# Allegro board 6ULL_V10_221209.brd
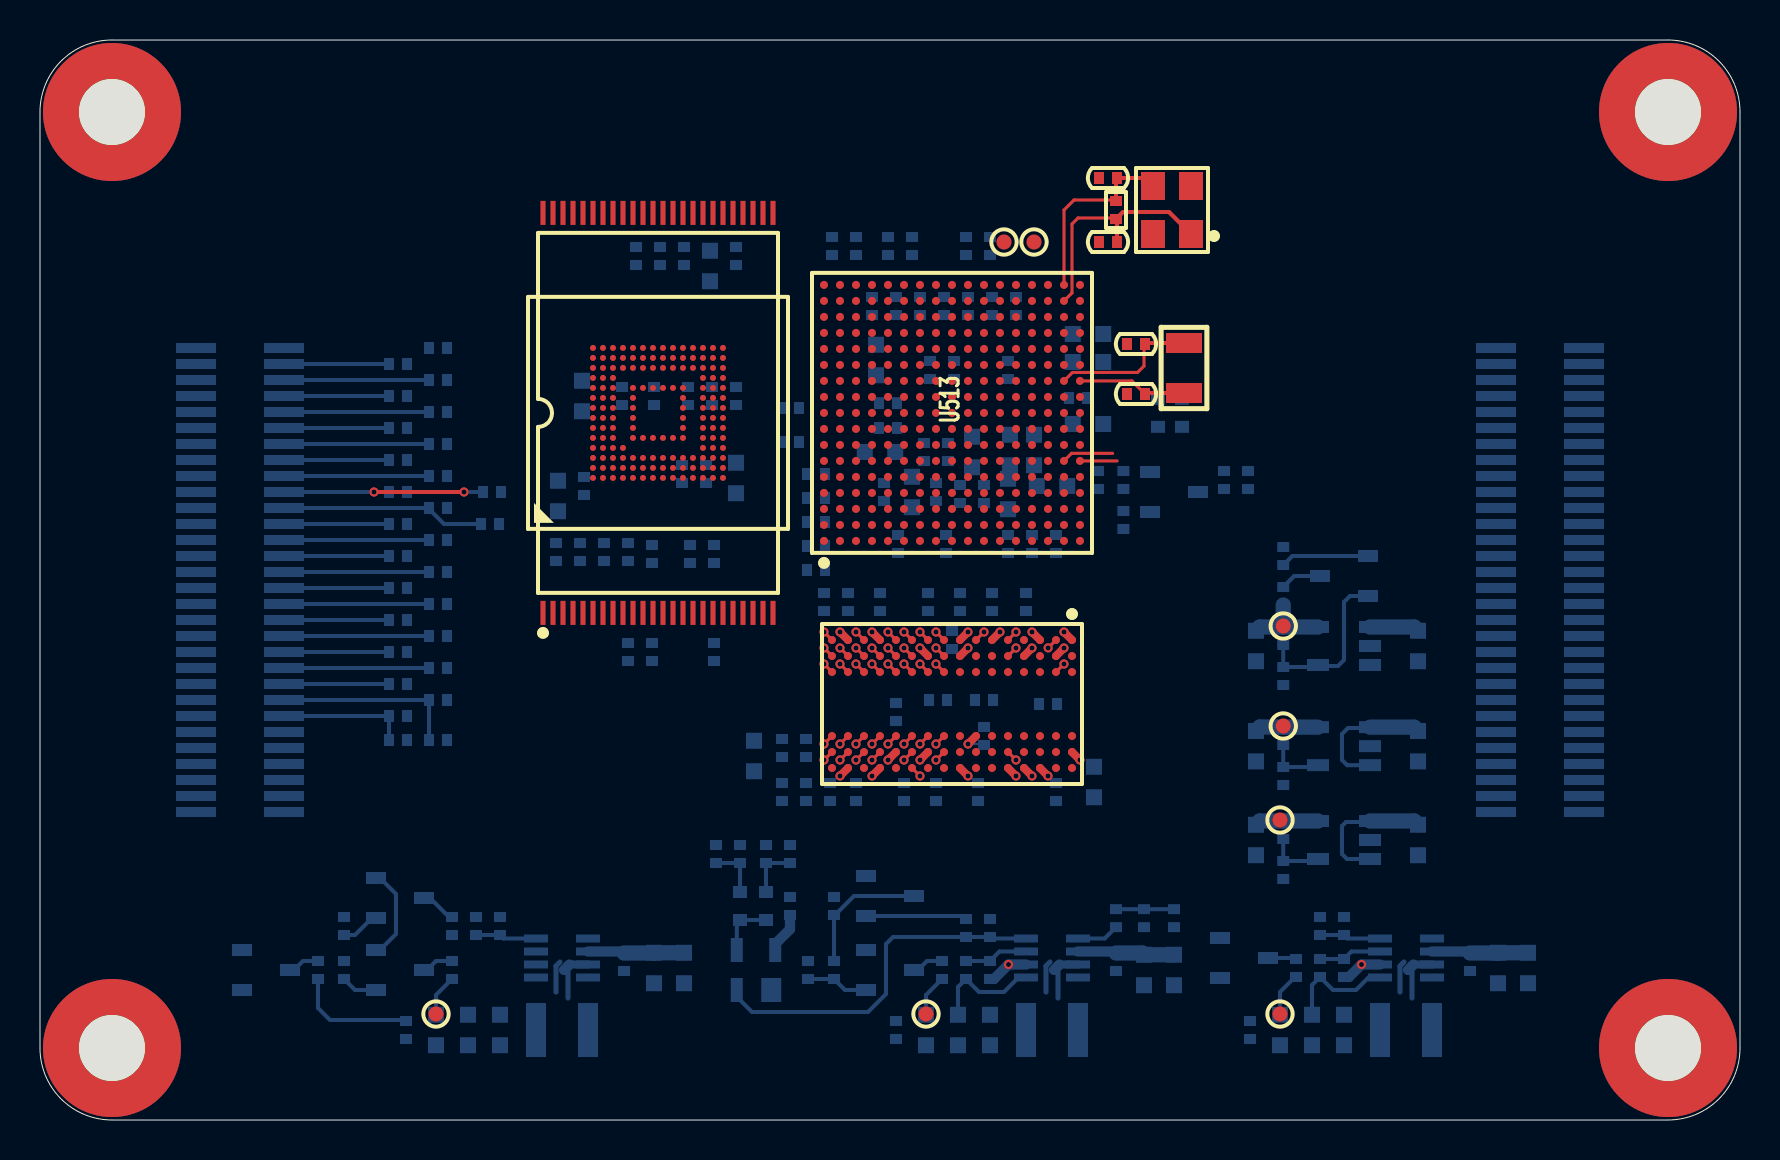
[diagram p0: board, top side]
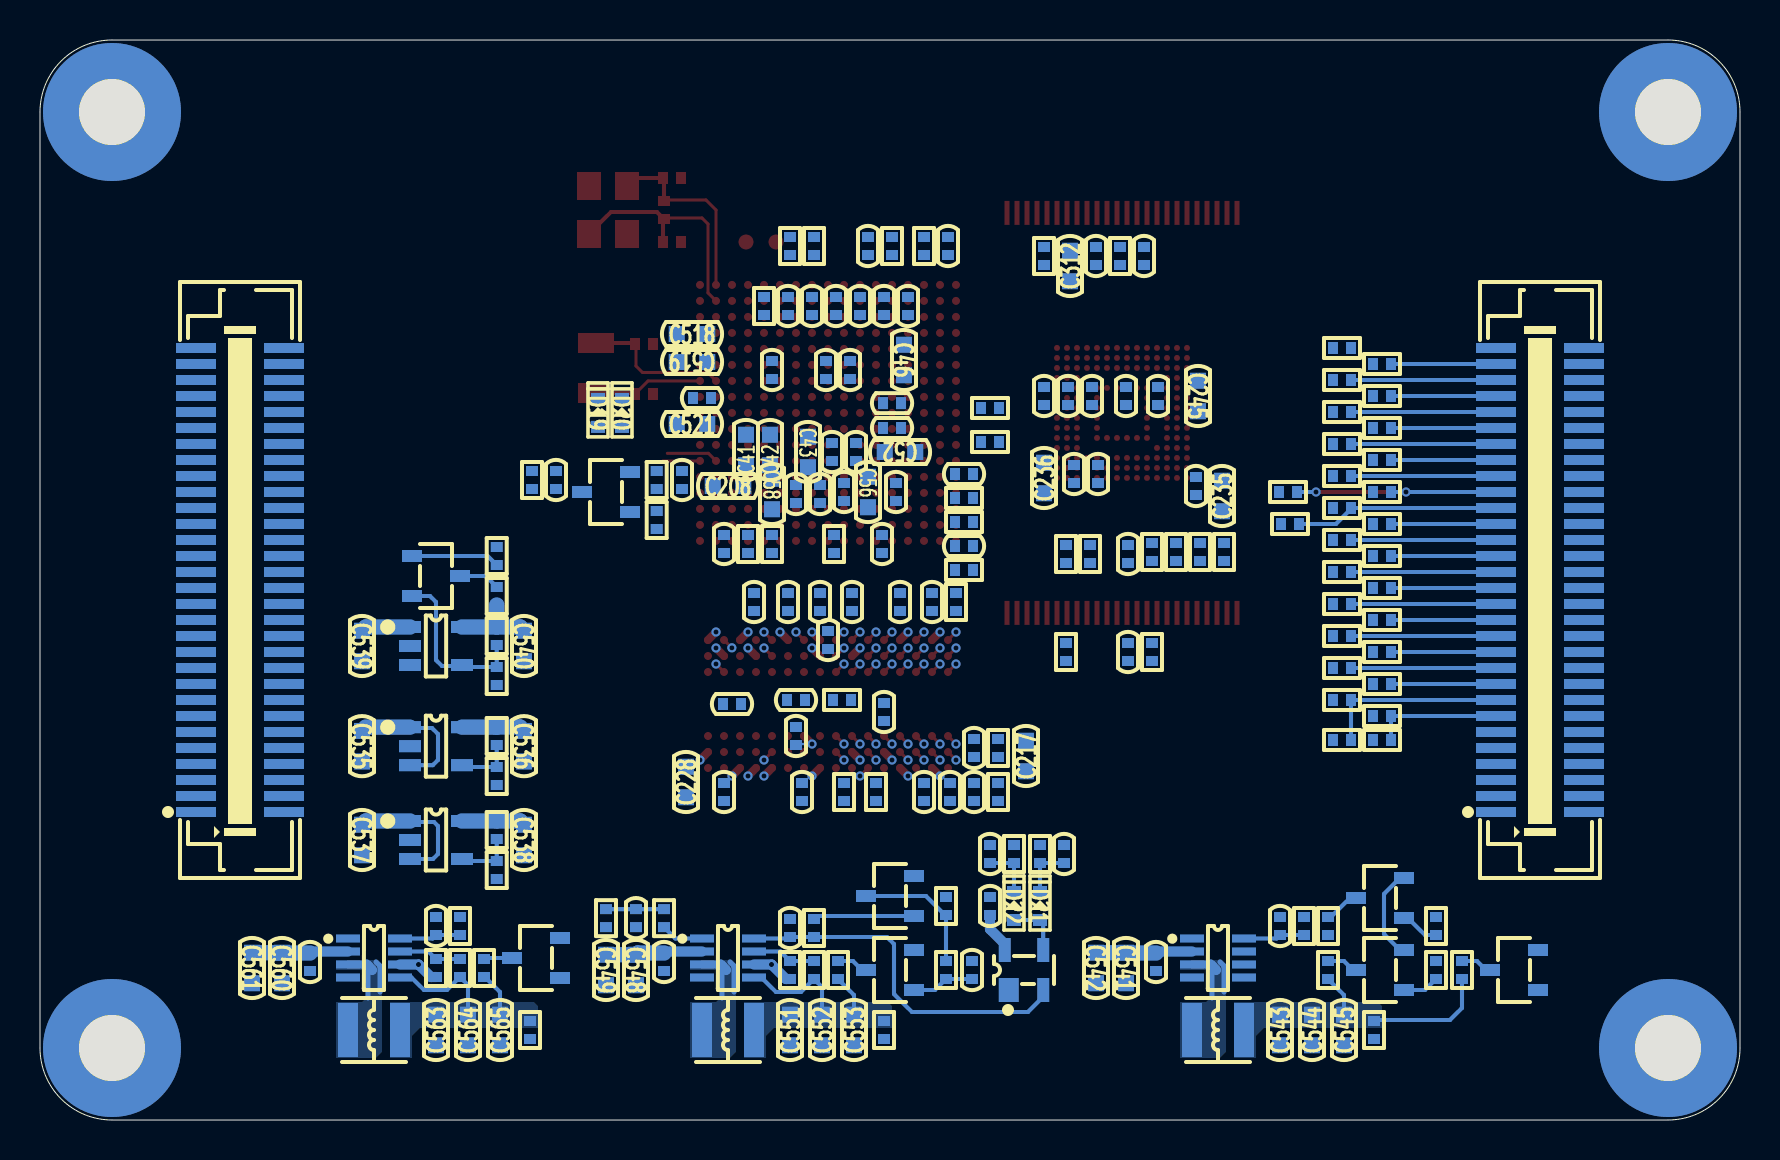
[diagram p1: board, bottom side, seen from below]

Outline 85 x 54 mm; copper layers: TOP, L02_GND, L03_VCC, BOTTOM. Coordinates in mm from the lower left corner of the outline.
Outline path: 0,50.4 arc(1.05,52.95) 3.6,54 81.4,54 arc(83.95,52.95) 85,50.4 85,3.6 arc(83.95,1.05) 81.4,0 3.6,0 arc(1.05,1.05) 0,3.6 0,50.4

## Design rules (mm)
constraint set DEFAULT: min track width 0.114, pair gap 0.152
net group CLK1_: nets CLK1_N CLK1_P
net group DRAM_SDCLK0_: nets DRAM_SDCLK0_N DRAM_SDCLK0_P
net group DRAM_SDQS0_: nets DRAM_SDQS0_N DRAM_SDQS0_P
net group DRAM_SDQS1_: nets DRAM_SDQS1_N DRAM_SDQS1_P
net group USB_OTG1_D: nets USB_OTG1_DN USB_OTG1_DP
net group USB_OTG2_D: nets USB_OTG2_DN USB_OTG2_DP

## Placement (name value [footprint] x y rotation side)
C3  100nF_50V  [C0402]  29.2 7.9 270 bottom
C39  220nF_16V  [C0402]  44.5 37.5 90 bottom
C40  220nF_16V  [C0402]  45.7 37.5 90 bottom
C41  4.7uF_16V  [C0603]  49.7 33.5 90 bottom
C42  22uF_6.3V  [C0603]  48.5 33.5 90 bottom
C43  4.7uF_16V  [C0603]  46.6 33.4 270 bottom
C44  220nF_16V  [C0402]  48.4 37.5 270 bottom
C45  220nF_16V  [C0402]  44.2 33.4 270 bottom
C46  22uF_6.3V  [C0603]  41.8 38 270 bottom
C48  220nF_16V  [C0402]  42.4 34.6 180 bottom
C49  220nF_16V  [C0402]  42.4 35.84 180 bottom
C50  220nF_16V  [C0402]  45.4 33.4 270 bottom
C52  22uF_6.3V  [C0603]  42 33.4 0 bottom
C54  220nF_16V  [C0402]  27.2 31.7 270 bottom
C55  220nF_16V  [C0402]  44.8 31.4 270 bottom
C56  10uF_10V  [C0603]  43.6 31.4 270 bottom
C57  220nF_16V  [C0402]  42.2 31.4 270 bottom
C58  10uF_10V  [C0603]  48.4 31.3 270 bottom
C59  220nF_16V  [C0402]  47.2 31.3 270 bottom
C206  220nF_16V  [C0402]  50.8 28.8 270 bottom
C208  22uF_6.3V  [C0603]  50.6 31.7 180 bottom
C210  220nF_16V  [C0402]  46 31.3 270 bottom
C215  2.2pF_50V  [C0402]  47.2 21 180 bottom
C216  2.2pF_50V  [C0402]  50.4 20.8 0 bottom
C217  10uF_10V  [C0603]  35.7 18.2 90 bottom
C218  100nF_50V  [C0402]  38.3 18.6 270 bottom
C219  100nF_50V  [C0402]  38.3 16.4 270 bottom
C220  220nF_16V  [C0402]  46 25.9 90 bottom
C221  220nF_16V  [C0402]  42.8 20.4 90 bottom
C222  220nF_16V  [C0402]  49.3 25.9 90 bottom
C223  220nF_16V  [C0402]  47.6 25.9 90 bottom
C224  220nF_16V  [C0402]  44.4 25.9 90 bottom
C225  220nF_16V  [C0402]  42 25.9 90 bottom
C226  220nF_16V  [C0402]  40.4 25.9 90 bottom
C227  220nF_16V  [C0402]  50.8 16.4 270 bottom
C228  22uF_6.3V  [C0603]  52.7 16.9 90 bottom
C229  220nF_16V  [C0402]  46.9 16.4 270 bottom
C230  220nF_16V  [C0402]  47.2 19.2 90 bottom
C231  220nF_16V  [C0402]  45.6 24 90 bottom
C232  220nF_16V  [C0402]  40.8 16.4 270 bottom
C233  220nF_16V  [C0402]  39.5 16.4 270 bottom
C235  4.7uF_16V  [C0603]  25.9 31.2 90 bottom
C236  4.7uF_16V  [C0603]  34.8 32.1 90 bottom
C237  100nF_50V  [C0402]  33.3 32.3 270 bottom
C238  100nF_50V  [C0402]  32.1 32.3 270 bottom
C239  100nF_50V  [C0402]  30.7 36.2 90 bottom
C240  100nF_50V  [C0402]  33.6 36.2 90 bottom
C241  100nF_50V  [C0402]  30.6 28.3 90 bottom
C242  100nF_50V  [C0402]  32.4 36.2 90 bottom
C243  100nF_50V  [C0402]  34.8 36.2 90 bottom
C244  100nF_50V  [C0402]  29.1 36.2 90 bottom
C245  4.7uF_16V  [C0603]  27.1 36.2 270 bottom
C311  100nF_50V  [C0402]  32.2 43.2 270 bottom
C312  4.7uF_16V  [C0603]  33.5 42.7 90 bottom
C313  100nF_50V  [C0402]  29.8 43.2 270 bottom
C509  220nF_16V  [C0402]  41.6 40.7 90 bottom
C511  220nF_16V  [C0402]  42.8 40.7 90 bottom
C512  18pF_50V  [C0402]  43.6 43.7 90 bottom
C513  18pF_50V  [C0402]  39.6 43.7 270 bottom
C514  220nF_16V  [C0402]  45.2 40.7 90 bottom
C515  220nF_16V  [C0402]  42.9 28.8 270 bottom
C517  18pF_50V  [C0402]  30.6 23.4 90 bottom
C518  4.7uF_16V  [C0603]  52.4 39.3 180 bottom
C519  4.7uF_16V  [C0603]  52.4 37.9 0 bottom
C520  220nF_16V  [C0402]  51.9 36.1 0 bottom
C521  10uF_10V  [C0603]  52.4 34.8 180 bottom
C522  220nF_16V  [C0402]  38.8 32.3 180 bottom
C523  18pF_50V  [C0402]  38.8 28.7 0 bottom
C524  220nF_16V  [C0402]  46.4 40.7 90 bottom
C525  220nF_16V  [C0402]  47.6 40.7 90 bottom
C526  18pF_50V  [C0402]  54.8 38.8 0 top
C527  18pF_50V  [C0402]  54.8 36.3 0 top
C528  18pF_50V  [C0402]  53.4 43.9 0 top
C529  18pF_50V  [C0402]  53.4 47.1 0 top
C530  220nF_16V  [C0402]  44 40.7 90 bottom
C531  100nF_50V  [C0402]  59.2 32 90 bottom
C532  100nF_50V  [C0402]  52.9 32 90 bottom
C535  10uF_10V  [C0603]  68.9 18.69 270 bottom
C536  10uF_10V  [C0603]  60.8 18.69 270 bottom
C537  10uF_10V  [C0603]  68.9 14 270 bottom
C538  10uF_10V  [C0603]  60.8 14 270 bottom
C539  10uF_10V  [C0603]  68.9 23.7 270 bottom
C540  10uF_10V  [C0603]  60.8 23.7 270 bottom
C541  10uF_10V  [C0603]  30.7 7.6 270 bottom
C542  10uF_10V  [C0603]  32.2 7.6 270 bottom
C543  10uF_10V  [C0603]  23 4.5 90 bottom
C544  10uF_10V  [C0603]  21.4 4.5 90 bottom
C545  10uF_10V  [C0603]  19.8 4.5 90 bottom
C546  100nF_50V  [C0402]  23 9.7 270 bottom
C547  220nF_16V  [C0402]  47.5 9.6 270 bottom
C548  10uF_10V  [C0603]  55.2 7.5 270 bottom
C549  10uF_10V  [C0603]  56.7 7.5 270 bottom
C550  100nF_50V  [C0402]  53.8 7.9 270 bottom
C551  10uF_10V  [C0603]  47.5 4.5 90 bottom
C552  10uF_10V  [C0603]  45.9 4.5 90 bottom
C553  10uF_10V  [C0603]  44.3 4.5 90 bottom
C554  1nF_50V  [C0402]  55.2 10.09 90 bottom
C555  100nF_50V  [C0402]  37.5 10.7 270 bottom
C556  220nF_16V  [C0402]  37.5 13.3 90 bottom
C557  100nF_50V  [C0402]  33.8 13.3 270 bottom
C558  100nF_50V  [C0402]  38.4 7.5 90 bottom
C559  100nF_50V  [C0402]  65.2 9.7 270 bottom
C560  10uF_10V  [C0603]  72.9 7.6 270 bottom
C561  10uF_10V  [C0603]  74.4 7.6 270 bottom
C562  100nF_50V  [C0402]  71.5 7.9 270 bottom
C563  10uF_10V  [C0603]  65.2 4.5 90 bottom
C564  10uF_10V  [C0603]  63.6 4.5 90 bottom
C565  10uF_10V  [C0603]  62 4.5 90 bottom
D19  LRB521S-40T1G  [SOD523]  57.1 35.35 270 bottom
D20  LRB521S-40T1G  [SOD523]  55.9 35.35 270 bottom
D21  LRB521S-40T1G  [SOD523]  35 10.7 270 bottom
D22  LRB521S-40T1G  [SOD523]  36.3 10.7 270 bottom
L1  SWPA3015S2R2NT  [L3015]  26.1 4.5 180 bottom
L5  SWPA3015S2R2NT  [L3015]  50.6 4.5 180 bottom
L6  SWPA3015S2R2NT  [L3015]  68.3 4.5 180 bottom
MH1  HOLE_M3/NI  [HOLE6R90X3R40]  3.6 50.4 0 top
MH2  HOLE_M3/NI  [HOLE6R90X3R40]  81.4 50.4 0 top
MH3  HOLE_M3/NI  [HOLE6R90X3R40]  3.6 3.6 0 top
MH4  HOLE_M3/NI  [HOLE6R90X3R40]  81.4 3.6 0 top
NOREF  -  []  0 0 0 top
NOREF#2  -  []  0 0 0 top
NOREF#3  -  []  0 0 90 top
NOREF#4  -  []  0 0 0 top
NOREF#5  -  []  0 0 90 top
NOREF#6  -  []  0 0 0 top
NOREF#7  -  []  0 0 90 top
NOREF#8  -  []  0 0 90 top
NOREF#9  -  []  0 0 0 top
Q10  2SK3018  [SOT23-3]  65.2 27.2 0 bottom
Q11  2SK3018  [SOT23-3]  18 7.5 180 bottom
Q12  2SK3018  [SOT23-3]  18 11.1 180 bottom
Q13  2SK3018  [SOT23-3]  11.3 7.5 180 bottom
Q14  2SK3018  [SOT23-3]  42.5 7.5 180 bottom
Q15  2SK3018  [SOT23-3]  42.5 11.2 180 bottom
Q16  2SK3018  [SOT23-3]  60.2 8.1 180 bottom
R1  10K  [R0402]  21.8 9.7 90 bottom
R3  100K  [R0402]  46.3 43.7 90 bottom
R9  130K  [R0402]  19.9 38.6 0 bottom
R38  1.5K  [R0402]  25.8 28.4 90 bottom
R210  10K  [R0402]  39.2 25.9 270 bottom
R211  240R  [R0402]  49.6 28.8 90 bottom
R212  10K  [R0402]  45.3 28.8 270 bottom
R213  10K  [R0402]  48.4 28.8 270 bottom
R214  470R  [R0402]  44.9 21 0 bottom
R215  1K  [R0402]  37.1 18.6 90 bottom
R216  1K  [R0402]  37.1 16.4 90 bottom
R217  240R  [R0402]  43.2 16.4 90 bottom
R218  240R  [R0402]  44.8 16.4 270 bottom
R302  10K  [R0402]  32.5 28.3 270 bottom
R326  10K  [R0402]  28.2 28.4 90 bottom
R327  10K  [R0402]  29.4 28.4 90 bottom
R328  0R  [R0402]  27 28.4 90 bottom
R521  10R  [R0402]  37.5 33.9 180 bottom
R522  0R  [R0402]  37.5 35.6 180 bottom
R523  10R  [R0402]  42.4 43.7 90 bottom
R524  10R  [R0402]  40.8 43.7 90 bottom
R525  10R  [R0402]  29.4 23.4 90 bottom
R526  10R  [R0402]  31 43.2 90 bottom
R527  10R  [R0402]  33.7 23.4 90 bottom
R528  10R  [R0402]  38.8 27.5 180 bottom
R529  10K  [R0402]  38.8 29.9 180 bottom
R530  10K  [R0402]  38.8 31.1 180 bottom
R531  100K/NI  [R0402]  54.17 30 270 bottom
R532  1M  [R0402]  53.8 45.5 90 top
R533  10K  [R0402]  47.5 43.7 90 bottom
R535  1.5K  [R0402]  60.4 32 90 bottom
R536  1K  [R0402]  54.17 32 90 bottom
R657  47K/NI  [R0402]  22.6 31.4 0 bottom
R658  47K/NI  [R0402]  22.5 29.8 0 bottom
R659  47K  [R0402]  19.9 19 0 bottom
R660  47K/NI  [R0402]  17.9 19 0 bottom
R661  47K  [R0402]  17.9 20.2 0 bottom
R662  47K/NI  [R0402]  19.9 21 0 bottom
R663  47K  [R0402]  17.9 21.8 0 bottom
R664  47K  [R0402]  19.9 22.6 0 bottom
R665  47K  [R0402]  17.9 23.4 0 bottom
R666  47K  [R0402]  19.9 24.2 0 bottom
R667  47K  [R0402]  17.9 25 0 bottom
R668  47K  [R0402]  19.9 25.8 0 bottom
R669  47K  [R0402]  17.9 26.6 0 bottom
R670  47K  [R0402]  19.9 27.4 0 bottom
R671  47K  [R0402]  17.9 28.2 0 bottom
R672  47K  [R0402]  19.9 29 0 bottom
R673  47K  [R0402]  17.9 29.8 0 bottom
R674  47K  [R0402]  19.9 30.6 0 bottom
R675  47K  [R0402]  17.9 31.4 0 bottom
R676  47K  [R0402]  19.9 32.2 0 bottom
R677  47K  [R0402]  17.9 33 0 bottom
R678  47K  [R0402]  19.9 33.8 0 bottom
R679  47K  [R0402]  17.9 34.6 0 bottom
R680  47K  [R0402]  19.9 35.4 0 bottom
R681  47K  [R0402]  17.9 36.2 0 bottom
R682  47K  [R0402]  19.9 37 0 bottom
R683  47K  [R0402]  17.9 37.8 0 bottom
R693  33K  [R0402]  62.16 19.2 270 bottom
R694  20K  [R0402]  62.16 17.2 270 bottom
R695  27.4K  [R0402]  62.16 14.5 270 bottom
R696  20K  [R0402]  62.16 12.5 270 bottom
R697  33K  [R0402]  62.16 24.2 270 bottom
R698  20K  [R0402]  62.16 22.2 270 bottom
R699  12.7K  [R0402]  62.16 26.2 90 bottom
R700  100K  [R0402]  62.16 28.2 90 bottom
R701  200K  [R0402]  20.6 7.5 270 bottom
R702  510K  [R0402]  20.6 9.7 270 bottom
R703  100K/NI  [R0402]  15.2 7.5 270 bottom
R704  100K  [R0402]  15.2 9.7 270 bottom
R705  0R  [R0402]  18.3 4.5 270 bottom
R706  49.9R  [R0402]  13.9 7.5 270 bottom
R707  40.2K  [R0402]  47.5 7.5 90 bottom
R708  10K  [R0402]  46.3 9.6 90 bottom
R709  180K  [R0402]  46.3 7.5 270 bottom
R710  0R  [R0402]  42.8 4.5 270 bottom
R711  0R  [R0402]  53.8 10.09 270 bottom
R712  0R/NI  [R0402]  56.7 10.09 270 bottom
R713  49.9R  [R0402]  35 13.3 90 bottom
R714  1M  [R0402]  36.3 13.3 270 bottom
R715  49.9R  [R0402]  45.1 7.5 270 bottom
R716  10K  [R0402]  39.7 7.5 270 bottom
R717  100K  [R0402]  39.7 10.7 270 bottom
R718  160K  [R0402]  65.2 7.6 90 bottom
R719  10K  [R0402]  64 9.7 90 bottom
R720  200K  [R0402]  64 7.6 270 bottom
R721  49.9R  [R0402]  62.8 7.6 270 bottom
R722  0R  [R0402]  60.5 4.5 270 bottom
R738  0R  [R0402]  48.8 40.7 270 bottom
R739  10K  [R0402]  34.8 43.2 270 bottom
R740  10K  [R0402]  33.7 28.3 90 bottom
TP1  TP/NI  [TP-0R75]  19.8 5.3 0 top
TP20  TP/NI  [TP-0R75]  62.16 19.7 0 top
TP21  TP/NI  [TP-0R75]  62 15 0 top
TP22  TP/NI  [TP-0R75]  62.16 24.7 0 top
TP23  TP/NI  [TP-0R75]  48.2 43.9 0 top
TP24  TP/NI  [TP-0R75]  49.7 43.9 0 top
TP25  TP/NI  [TP-0R75]  44.3 5.3 0 top
TP26  TP/NI  [TP-0R75]  62 5.3 0 top
U201  NT5CC256M16EP-EK  [FBGA96_0R8_14X8X1]  45.6 20.8 270 top
U302  KLM8G1GETF/NI  [FBGA153_0R5_11R5X13X8]  30.9 35.35 90 top
U501  UM803RS  [SOT23-3]  56.7 31.4 180 bottom
U503  SPX3819M5-L-ADJ  [SOT23-5]  65.2 18.69 270 bottom
U504  SPX3819M5-L-ADJ  [SOT23-5]  65.2 14 270 bottom
U505  SPX3819M5-L-ADJ  [SOT23-5]  65.2 23.7 270 bottom
U506  MP2144GJ-Z  [TSOT23-8]  26.1 8.1 270 bottom
U507  MP2144GJ-Z  [TSOT23-8]  50.6 8.1 270 bottom
U508  UM805RE  [SOT143]  35.8 7.5 180 bottom
U509  MP2144GJ-Z  [TSOT23-8]  68.3 8.1 270 bottom
U510  -  [5177984-2]  10 27 90 bottom
U511  -  [5177984-2]  75 27 90 bottom
U512  MT29F4G08ABADAWP-IT  [TSOP48-12X20]  30.9 35.35 90 top
U513  PCIMX6G3CVM05AA  [BGA289_0R8_14X14X1R2]  45.6 35.35 90 top
X4  Q13FC1350000400  [X-2P-3R2X1R5-SMD]  57.2 37.6 90 top
X5  X322524MRB4SI  [X-4P-3R2X2R5-SMD]  56.6 45.5 90 top

## Library data of the parts
C3 C41-C43 C46 C52 C56 C58 C208 C217 C228 C235 C236 C245 C312 C518 C519 C521 C526 C527 C546 C547 C550 C554-C559 C562 = CAP NP
C39 C40 C44 C45 C48-C50 C54 C55 C57 C59 C206 C210 C215 C216 C218-C227 C229-C233 C237-C244 C311 C313 C509 C511-C515 C517 C520 C522-C525 C528-C532 C535-C545 C548 C549 C551-C553 C560 C561 C563-C565 = CAP NP_3
D19-D22 = DIODE13_9
L1 L5 L6 = INDUCTOR_0
MH1-MH4 = Hold_1
Q10-Q16 = MOS-P_0
R1 R3 R9 R38 R210-R218 R302 R326-R328 R521-R533 R535 R536 R657-R683 R693-R722 R738-R740 = R_Generic
TP1 TP20-TP26 = TestPoint
U201 = 4G_DDR3_SDRAM_256MX16_96P
U302 = MTFC4GMVEA_WFBGA_153P
U501 = SGM803_SOT23-3P
U503-U505 = SPX3819M5-L-1-2
U506 U507 U509 = MP2144GJ-Z
U508 = UM805RE
U510 U511 = 5177984-2_2
U512 = MT29F32G08CBADB_0
U513 = PCIMX6G3CVM05AA
X4 = XTAL_5032_0
X5 = TSX-3225

## Footprints (pads in the part's own frame, mm; a bottom-side part is the same pattern mirrored in y, then rotated)
5177984-2
  rect 0.5x2 smd: 1(-11.6,2.2) 2(-10.8,2.2) 3(-10,2.2) 4(-9.2,2.2) 5(-8.4,2.2) 6(-7.6,2.2) 7(-6.8,2.2) 8(-6,2.2) 9(-5.2,2.2) 10(-4.4,2.2) 11(-3.6,2.2) 12(-2.8,2.2) 13(-2,2.2) 14(-1.2,2.2) 15(-0.4,2.2) 16(0.4,2.2) 17(1.2,2.2) 18(2,2.2) 19(2.8,2.2) 20(3.6,2.2) 21(4.4,2.2) 22(5.2,2.2) 23(6,2.2) 24(6.8,2.2) 25(7.6,2.2) 26(8.4,2.2) 27(9.2,2.2) 28(10,2.2) 29(10.8,2.2) 30(11.6,2.2) 31(11.6,-2.2) 32(10.8,-2.2) 33(10,-2.2) 34(9.2,-2.2) 35(8.4,-2.2) 36(7.6,-2.2) 37(6.8,-2.2) 38(6,-2.2) 39(5.2,-2.2) 40(4.4,-2.2) 41(3.6,-2.2) 42(2.8,-2.2) 43(2,-2.2) 44(1.2,-2.2) 45(0.4,-2.2) 46(-0.4,-2.2) 47(-1.2,-2.2) 48(-2,-2.2) 49(-2.8,-2.2) 50(-3.6,-2.2) 51(-4.4,-2.2) 52(-5.2,-2.2) 53(-6,-2.2) 54(-6.8,-2.2) 55(-7.6,-2.2) 56(-8.4,-2.2) 57(-9.2,-2.2) 58(-10,-2.2) 59(-10.8,-2.2) 60(-11.6,-2.2)
BGA289_0R8_14X14X1R2
  round 0.4 smd: A1(-6.4,6.4) A2(-5.6,6.4) A3(-4.8,6.4) A4(-4,6.4) A5(-3.2,6.4) A6(-2.4,6.4) A7(-1.6,6.4) A8(-0.8,6.4) A9(0,6.4) A10(0.8,6.4) A11(1.6,6.4) A12(2.4,6.4) A13(3.2,6.4) A14(4,6.4) A15(4.8,6.4) A16(5.6,6.4) A17(6.4,6.4) B1(-6.4,5.6) B2(-5.6,5.6) B3(-4.8,5.6) B4(-4,5.6) B5(-3.2,5.6) B6(-2.4,5.6) B7(-1.6,5.6) B8(-0.8,5.6) B9(0,5.6) B10(0.8,5.6) B11(1.6,5.6) B12(2.4,5.6) B13(3.2,5.6) B14(4,5.6) B15(4.8,5.6) B16(5.6,5.6) B17(6.4,5.6) C1(-6.4,4.8) C2(-5.6,4.8) C3(-4.8,4.8) C4(-4,4.8) C5(-3.2,4.8) C6(-2.4,4.8) C7(-1.6,4.8) C8(-0.8,4.8) C9(0,4.8) C10(0.8,4.8) C11(1.6,4.8) C12(2.4,4.8) C13(3.2,4.8) C14(4,4.8) C15(4.8,4.8) C16(5.6,4.8) C17(6.4,4.8) D1(-6.4,4) D2(-5.6,4) D3(-4.8,4) D4(-4,4) D5(-3.2,4) D6(-2.4,4) D7(-1.6,4) D8(-0.8,4) D9(0,4) D10(0.8,4) D11(1.6,4) D12(2.4,4) D13(3.2,4) D14(4,4) D15(4.8,4) D16(5.6,4) D17(6.4,4) E1(-6.4,3.2) E2(-5.6,3.2) E3(-4.8,3.2) E4(-4,3.2) E5(-3.2,3.2) E6(-2.4,3.2) E7(-1.6,3.2) E8(-0.8,3.2) E9(0,3.2) E10(0.8,3.2) E11(1.6,3.2) E12(2.4,3.2) E13(3.2,3.2) E14(4,3.2) E15(4.8,3.2) E16(5.6,3.2) E17(6.4,3.2) F1(-6.4,2.4) F2(-5.6,2.4) F3(-4.8,2.4) F4(-4,2.4) F5(-3.2,2.4) F6(-2.4,2.4) F7(-1.6,2.4) F8(-0.8,2.4) F9(0,2.4) F10(0.8,2.4) F11(1.6,2.4) F12(2.4,2.4) F13(3.2,2.4) F14(4,2.4) F15(4.8,2.4) F16(5.6,2.4) F17(6.4,2.4) G1(-6.4,1.6) G2(-5.6,1.6) G3(-4.8,1.6) G4(-4,1.6) G5(-3.2,1.6) G6(-2.4,1.6) G7(-1.6,1.6) G8(-0.8,1.6) G9(0,1.6) G10(0.8,1.6) G11(1.6,1.6) G12(2.4,1.6) G13(3.2,1.6) G14(4,1.6) G15(4.8,1.6) G16(5.6,1.6) G17(6.4,1.6) H1(-6.4,0.8) H2(-5.6,0.8) H3(-4.8,0.8) H4(-4,0.8) H5(-3.2,0.8) H6(-2.4,0.8) H7(-1.6,0.8) H8(-0.8,0.8) H9(0,0.8) H10(0.8,0.8) H11(1.6,0.8) H12(2.4,0.8) H13(3.2,0.8) H14(4,0.8) H15(4.8,0.8) H16(5.6,0.8) H17(6.4,0.8) J1(-6.4,0) J2(-5.6,0) J3(-4.8,0) J4(-4,0) J5(-3.2,0) J6(-2.4,0) J7(-1.6,0) J8(-0.8,0) J9(0,0) J10(0.8,0) J11(1.6,0) J12(2.4,0) J13(3.2,0) J14(4,0) J15(4.8,0) J16(5.6,0) J17(6.4,0) K1(-6.4,-0.8) K2(-5.6,-0.8) K3(-4.8,-0.8) K4(-4,-0.8) K5(-3.2,-0.8) K6(-2.4,-0.8) K7(-1.6,-0.8) K8(-0.8,-0.8) K9(0,-0.8) K10(0.8,-0.8) K11(1.6,-0.8) K12(2.4,-0.8) K13(3.2,-0.8) K14(4,-0.8) K15(4.8,-0.8) K16(5.6,-0.8) K17(6.4,-0.8) L1(-6.4,-1.6) L2(-5.6,-1.6) L3(-4.8,-1.6) L4(-4,-1.6) L5(-3.2,-1.6) L6(-2.4,-1.6) L7(-1.6,-1.6) L8(-0.8,-1.6) L9(0,-1.6) L10(0.8,-1.6) L11(1.6,-1.6) L12(2.4,-1.6) L13(3.2,-1.6) L14(4,-1.6) L15(4.8,-1.6) L16(5.6,-1.6) L17(6.4,-1.6) M1(-6.4,-2.4) M2(-5.6,-2.4) M3(-4.8,-2.4) M4(-4,-2.4) M5(-3.2,-2.4) M6(-2.4,-2.4) M7(-1.6,-2.4) M8(-0.8,-2.4) M9(0,-2.4) M10(0.8,-2.4) M11(1.6,-2.4) M12(2.4,-2.4) M13(3.2,-2.4) M14(4,-2.4) M15(4.8,-2.4) M16(5.6,-2.4) M17(6.4,-2.4) N1(-6.4,-3.2) N2(-5.6,-3.2) N3(-4.8,-3.2) N4(-4,-3.2) N5(-3.2,-3.2) N6(-2.4,-3.2) N7(-1.6,-3.2) N8(-0.8,-3.2) N9(0,-3.2) N10(0.8,-3.2) N11(1.6,-3.2) N12(2.4,-3.2) N13(3.2,-3.2) N14(4,-3.2) N15(4.8,-3.2) N16(5.6,-3.2) N17(6.4,-3.2) P1(-6.4,-4) P2(-5.6,-4) P3(-4.8,-4) P4(-4,-4) P5(-3.2,-4) P6(-2.4,-4) P7(-1.6,-4) P8(-0.8,-4) P9(0,-4) P10(0.8,-4) P11(1.6,-4) P12(2.4,-4) P13(3.2,-4) P14(4,-4) P15(4.8,-4) P16(5.6,-4) P17(6.4,-4) R1(-6.4,-4.8) R2(-5.6,-4.8) R3(-4.8,-4.8) R4(-4,-4.8) R5(-3.2,-4.8) R6(-2.4,-4.8) R7(-1.6,-4.8) R8(-0.8,-4.8) R9(0,-4.8) R10(0.8,-4.8) R11(1.6,-4.8) R12(2.4,-4.8) R13(3.2,-4.8) R14(4,-4.8) R15(4.8,-4.8) R16(5.6,-4.8) R17(6.4,-4.8) T1(-6.4,-5.6) T2(-5.6,-5.6) T3(-4.8,-5.6) T4(-4,-5.6) T5(-3.2,-5.6) T6(-2.4,-5.6) T7(-1.6,-5.6) T8(-0.8,-5.6) T9(0,-5.6) T10(0.8,-5.6) T11(1.6,-5.6) T12(2.4,-5.6) T13(3.2,-5.6) T14(4,-5.6) T15(4.8,-5.6) T16(5.6,-5.6) T17(6.4,-5.6) U1(-6.4,-6.4) U2(-5.6,-6.4) U3(-4.8,-6.4) U4(-4,-6.4) U5(-3.2,-6.4) U6(-2.4,-6.4) U7(-1.6,-6.4) U8(-0.8,-6.4) U9(0,-6.4) U10(0.8,-6.4) U11(1.6,-6.4) U12(2.4,-6.4) U13(3.2,-6.4) U14(4,-6.4) U15(4.8,-6.4) U16(5.6,-6.4) U17(6.4,-6.4)
C0402
  rect 0.5x0.6 smd: 1(-0.45,0) 2(0.45,0)
C0603
  rect 0.8x0.8 smd: 1(-0.762,0) 2(0.762,0)
FBGA96_0R8_14X8X1
  round 0.4 smd: A1(-3.2,6) A2(-2.4,6) A3(-1.6,6) A7(1.6,6) A8(2.4,6) A9(3.2,6) B1(-3.2,5.2) B2(-2.4,5.2) B3(-1.6,5.2) B7(1.6,5.2) B8(2.4,5.2) B9(3.2,5.2) C1(-3.2,4.4) C2(-2.4,4.4) C3(-1.6,4.4) C7(1.6,4.4) C8(2.4,4.4) C9(3.2,4.4) D1(-3.2,3.6) D2(-2.4,3.6) D3(-1.6,3.6) D7(1.6,3.6) D8(2.4,3.6) D9(3.2,3.6) E1(-3.2,2.8) E2(-2.4,2.8) E3(-1.6,2.8) E7(1.6,2.8) E8(2.4,2.8) E9(3.2,2.8) F1(-3.2,2) F2(-2.4,2) F3(-1.6,2) F7(1.6,2) F8(2.4,2) F9(3.2,2) G1(-3.2,1.2) G2(-2.4,1.2) G3(-1.6,1.2) G7(1.6,1.2) G8(2.4,1.2) G9(3.2,1.2) H1(-3.2,0.4) H2(-2.4,0.4) H3(-1.6,0.4) H7(1.6,0.4) H8(2.4,0.4) H9(3.2,0.4) J1(-3.2,-0.4) J2(-2.4,-0.4) J3(-1.6,-0.4) J7(1.6,-0.4) J8(2.4,-0.4) J9(3.2,-0.4) K1(-3.2,-1.2) K2(-2.4,-1.2) K3(-1.6,-1.2) K7(1.6,-1.2) K8(2.4,-1.2) K9(3.2,-1.2) L1(-3.2,-2) L2(-2.4,-2) L3(-1.6,-2) L7(1.6,-2) L8(2.4,-2) L9(3.2,-2) M1(-3.2,-2.8) M2(-2.4,-2.8) M3(-1.6,-2.8) M7(1.6,-2.8) M8(2.4,-2.8) M9(3.2,-2.8) N1(-3.2,-3.6) N2(-2.4,-3.6) N3(-1.6,-3.6) N7(1.6,-3.6) N8(2.4,-3.6) N9(3.2,-3.6) P1(-3.2,-4.4) P2(-2.4,-4.4) P3(-1.6,-4.4) P7(1.6,-4.4) P8(2.4,-4.4) P9(3.2,-4.4) R1(-3.2,-5.2) R2(-2.4,-5.2) R3(-1.6,-5.2) R7(1.6,-5.2) R8(2.4,-5.2) R9(3.2,-5.2) T1(-3.2,-6) T2(-2.4,-6) T3(-1.6,-6) T7(1.6,-6) T8(2.4,-6) T9(3.2,-6)